# Altium PCB WiSN.PcbDoc (part 2 of 2)
Units mil, origin at the board's own origin, x right, y up, seen from the top; angles counter-clockwise.
Board outline 3858.27 x 3858.27 mil, 4 copper layers (Top Layer, GND, PWR, Bottom Layer), stack 61.2 mil thick; 132 components, 87 nets, 424 pads, 339 vias.
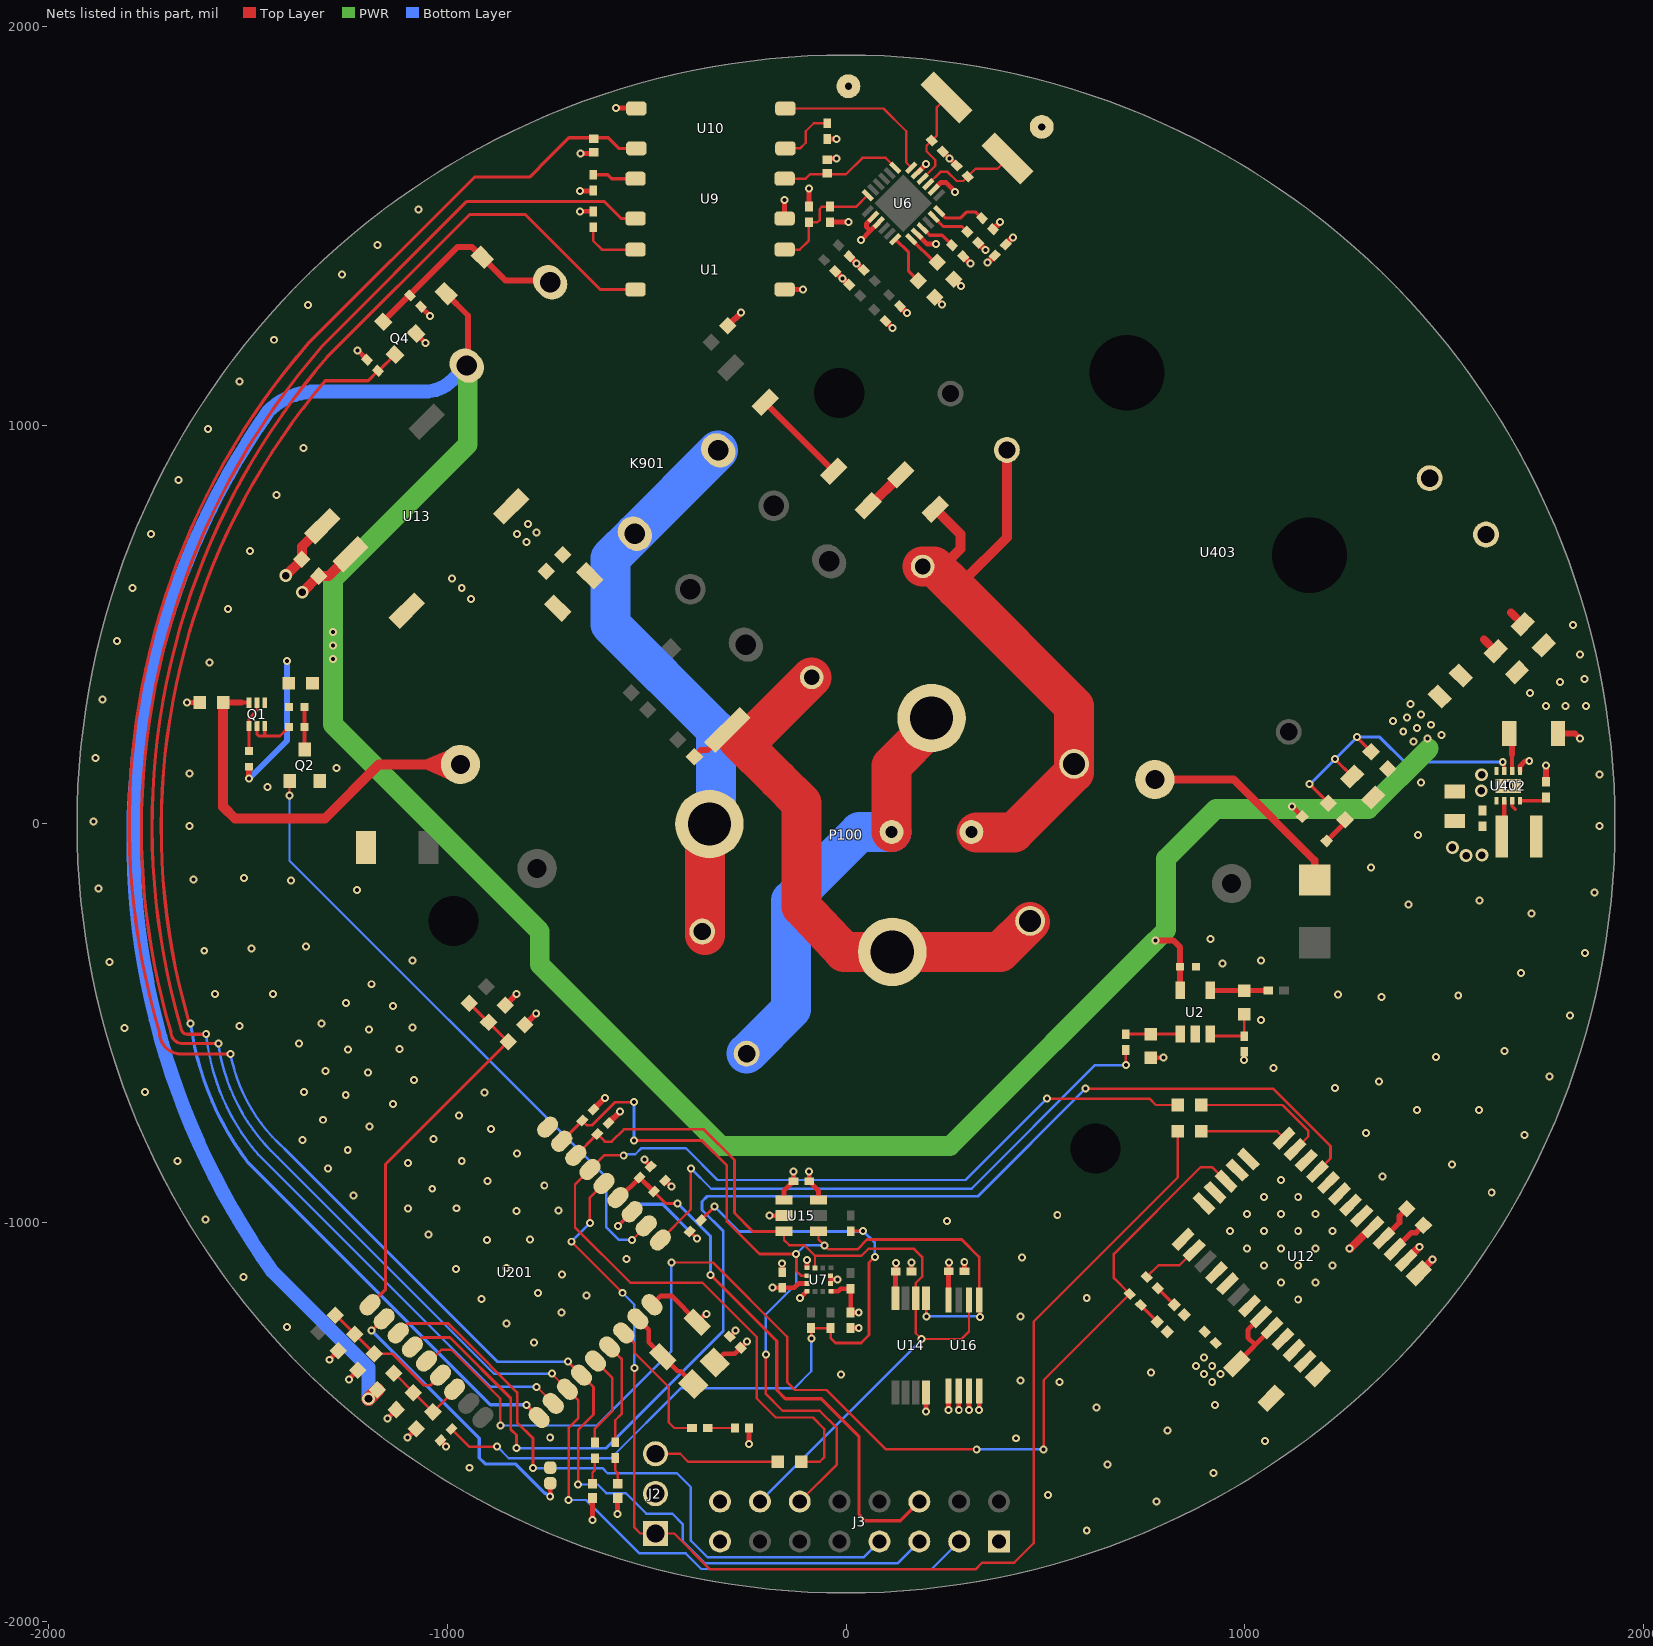
[diagram p4: the nets of this part, all layers, seen from the top]

## Via types
v1: diameter 20/20/20/20 (per signal layer), hole 10, Top Layer to Bottom Layer, tented both sides, 235 vias
v2: diameter 20/20/20/20 (per signal layer), hole 10, Top Layer to Bottom Layer, 93 vias
v3: diameter 32/32/32/32 (per signal layer), hole 19, Top Layer to Bottom Layer, tented both sides, 9 vias
v4: diameter 20/20/20/30 (per signal layer), hole 10, Top Layer to Bottom Layer, tented top, 2 vias

## Nets (pads, with @x,y where several pads share a name; then routed paths per layer and width w, separated by ;. In a path a pad name is that pad's centre, name@x,y a point inside that pad or via, vN(x,y) a via of type N, cw(c..) or ccw(c..) an arc to the next point about the centre after c; other vN are vias at no path point) (continued)
GND: C2.2 C3.2 C7.2 C8.2 C12.2 C26.2 C27.2 C28.2 C29.2 C32.2 C34.2 C35.2 C36.2 C37.2 C38.2 C104.2 C202.2 C203.2 C209.2 C404.2 C405.2 C406.2 C601.2 C603.2 C701.2 D2.1 D8.1 D9.1 D13.2 D14.1 D101.1 D801.2 J2.2 J3.15 J3.16 J4.1 P100.1 Q2.2 Q4.2 R29.2 R49.1 R602.1 R606.1 R801.1 R1777.1 U2.2 U7.1 U7.4 U7.8 U7.9 U10.3 U12.4 U12.5 U12.10 U12.11 U12.12 U12.13 U12.14 U12.15 U12.18 U12.19 U12.21 U12.22 U12.27 U12.28 U12.31 U13.1 U14.4 U15.2 U15.3 U16.1 U16.2 U16.3 U16.4 U201.18 U402.1 U402.4 U402.5 U403.14 | length 2309.6
  Top Layer w12: v1@-1653.72,304.82 C7.2@-1621.53,304.82 ; v1(-1295.93,-1344.07) -1295.93,-1343.93 R606.1@-1273.88,-1321.88 ; v1(-1246.93,-1393.07) -1246.93,-1392.93 C603.2@-1224.88,-1370.88 ; v1@-1224.81,1188.1 R1777.1@-1201.7,1164.99 ; v1(-1149.93,-1491.07) -1149.93,-1490.93 R49.1@-1127.88,-1468.88 ; v1(-1099.93,-1539.07) -1099.93,-1538.93 C28.2@-1077.88,-1516.88 ; Q4.2@-1078.82,1230.39 v1@-1055.71,1207.28 ; C701.2@-1066.73,1298.14 v1@-1043.62,1275.02 ; v1(-636,-1746) D14.1@-636,-1690.72 ; v1@-576.69,1796.31 U10.3@-524,1796.31 ; v1(-573,-1731) D101.1@-573,-1690.72 ; v1(-506,-842) -506,-843.16 C203.2@-490.08,-859.08 ; U201.18@-486.89,-1206 -464.89,-1184 -437.21,-1184 -372.85,-1248.36 C202.2@-372.85,-1249.85 -352,-1229 v1(-350,-1229) ; J3.16@-317,-1699 J3.16@-316,-1700 ; C209.2@-291.92,-1286.08 v1(-276.84,-1271) ; v1(-243.28,-1555.51) D2.1@-243.28,-1515.22 ; v1(-192,-982) -191.37,-982.63 U15.3@-155.61,-982.63 ; C35.2@-160,-1124.31 v1(-160,-1102) ; U15.2@-155.61,-943.26 -155.61,-920.32 C36.2@-131.69,-896.39 v1(-131.69,-872) ; v1(-115,-1189) -114.57,-1189 U7.4@-98.02,-1172.45 ; U7.1@-98.02,-1113.39 v1(-98.02,-1094.2) ; U7.8@-38.47,-1152.76 -38.47,-1142.92 ; U7.9@-38.47,-1133.08 -38.47,-1142.92 ; v1(-21,-1142.92) -38.47,-1142.92 ; C34.2@10.94,-1264.69 31.69,-1264.69 v1(32,-1265) ; C37.2@164.37,-1123 164.37,-1100.31 v1(164.69,-1100) ; v1(200.76,-1474) U14.4@200.76,-1426.11 ; v1(257.3,-1470.6) U16.1@257.3,-1422.17 ; v1(282.89,-1470.6) U16.2@282.89,-1422.17 ; v1(296.69,-1099) 297.37,-1099.69 C38.2@297.37,-1122 ; v1(308.48,-1470.6) U16.3@308.48,-1422.17 ; v1(334.07,-1470.6) U16.4@334.07,-1422.17 ; C104.2@765.08,-586.53 v1@795.29,-586.53 ; v1(999,-592.59) R801.1@999,-571.59 ; U402.1@1690.9,133.07 1690.9,144.99 1704.21,158.3 v1(1714.11,158.3)
  Top Layer w15: R602.1@-855.07,-455.46 v1(-826.12,-426.51) ; C601.2@-806.07,-504.46 v1(-777.12,-475.51) ; C404.2@1785.92,227.12 1828.96,227.12 v1(1841.27,214.81)
  Top Layer w20: P100.1@774.8,111.42 972.64,111.42 1176,-91.94 D801.2@1176,-140.57 ; v1(1263.17,-1064.41) 1265.96,-1064.41 1319.24,-1011.13 U12.18@1321.8,-1011.13 ; U12.15@1405.32,-1094.65 1405.32,-1094.29 v1(1439,-1060.6) ; U12.14@1437.33,-1126.67 v1(1471.02,-1092.98)
  Top Layer w25: v3@-1405.54,623.22 C2.2@-1364.88,663.88 -1364.88,696.38 U13.1@-1313.82,747.45
  other v1: 507,-1683 -944.72,-1615 -742,-1539.07 -12,-1381 -783,-1301 -852,-1253 -714,-1225.57 1134.55,-1193.03 -914,-1192 -651.23,-1182.32 -773,-1177 1091.68,-1150.16 1177.42,-1150.16 -713,-1130 -978,-1116 -852,-1114 1048.81,-1107.28 1134.55,-1107.28 1220.3,-1107.28 -551,-1091 1005.94,-1064.41 1091.68,-1064.41 1177.42,-1064.41 -901,-1044 -793,-1042 -1047,-1030 963.07,-1021.54 1048.81,-1021.54 1134.55,-1021.54 1220.3,-1021.54 1005.94,-978.67 1091.68,-978.67 1177.42,-978.67 -827,-971 -721,-970 -1099,-965 -977,-964 1048.81,-935.8 1134.55,-935.8 -1235,-932 -1038,-915.07 -757,-907 -899,-896 1091.68,-892.93 -1300,-864 -1099,-851 -964,-846 -825,-827 -1250,-818.14 -1363,-793 -1035,-790 -891,-765 -1195,-759 -1312,-742 -971,-731 -1137,-702 -1255,-680 -907,-674 -1360,-672 1337,-646 -1084,-642 -1199,-623 -1306,-620 796.08,-585.73 -1249,-566 -1120,-564.7 -1372,-551 -1196.93,-515 -1087,-510.86 -1316.02,-501 -1137,-457 -1254,-449 -1189.86,-402 -1087,-342.78 1890.88,-4.93 1890.88,124.36 -1653.72,304.44 -1225.25,1188.1 -1055.26,1207.28 -1043.17,1275.02 -1350,1302 -1264.79,1379 -1175,1453 -1072,1542 -577,1796
  other v2: 604,-1772 778.81,-1700 922,-1628 656,-1607 1051,-1548 427,-1541 807,-1521 629,-1464 925.79,-1457 536,-1400.29 438,-1396.06 764.67,-1376.11 -1402,-1261.52 438,-1235 604,-1189.34 -1511,-1137 441,-1087 253,-996 -1607,-992 530,-981 1620,-924 1346,-884 1520,-854 -1677,-844.95 1702,-780 1305,-775 1433,-718 1587.54,-718 -1758.98,-672 1226.37,-662 1765.02,-634 1072.67,-612 1480,-584 1651.53,-570 -1810,-512.26 -1521,-507 1040.63,-491.75 1816,-480 1343.49,-434 1536,-430 -1583,-426.51 -1438,-426.51 1234.53,-427.37 1694,-374 944,-350 -1848,-346 1040.63,-343 1854,-324 -1610,-318 -1492,-312 -1355,-307 914.37,-288 1720,-224 1411,-202.14 1589.75,-192 1878,-172 -1227,-165 -1875,-162 -1392,-142 -1637,-139 -1510,-135.64 1316.79,-108.98 1434.99,-27.91 -1647,-5 -1888,6 -1451.19,93 1442,103.66 -1647,127 -1278,141 -1883,166 1756.53,295.5 1805,295.5 1857,295.5 -1865,312.41 1716.23,328.32 1791,356.61 1852.73,363.68 -1597,405 1841.27,425.42 -1829.32,459 1824,499 -1551,539 -1789.76,592 -1495,685 -1743,728 -1429,825.93 -1675,863 -1361,943 -1601,991.04 -1521,1110 -1435.49,1214.85
  other v3: 1593.8,83.25 1661.37,95.67 1594.61,123.66 -1405.76,623.22
GND_3V3: C1.2 C6.2 C13.2 C19.2 C20.2 GND_AC.1 R4.1 R25.1 R57.2 R277.1 U1.3 U6.2 U6.11 U9.3 U13.7 | length 354.1
  Top Layer w12: U1.3@-153.99,1341 v1(-108,1341) ; U9.3@-153.99,1519 v1(-154,1565) ; C13.2@-93,1548.01 C13.2@-93,1549 v1(-93,1594) ; U6.2@178.1,1481.14 204.24,1455 v1(225.55,1455) ; U6.11@178.1,1632.86 201,1655.76 v1(201,1656) ; C20.2@243,1687 v1(260,1670) 260,1669.63 C19.2@277.63,1652
  Top Layer w15: R25.1@331.92,1458.08 v1@349.8,1440.2 ; R4.1@368.92,1492.08 v1@386.8,1509.96 ; C1.2@400.92,1453.92 v1@418.8,1471.8
  other v1: -941,565 -964,592 -988,616 349.92,1440.32 418.68,1471.92 386.68,1510.08
GPS_3DFIX: R47.2 U12.2 | length 147.1
  Top Layer w6: R47.2@754.29,-1136.75 784.2,-1106.84 836.35,-1106.84 U12.2@873.6,-1069.6
GPS_DR_INT: U12.1
GPS_EINT1: U12.7
GPS_GPIO1: U12.20
GPS_GPIO2: U12.24
GPS_RST_L: U12.23 U201.4 | length 3269.6
  Top Layer w7: U201.4@-1087.93,-1312.07 -1064.22,-1288.36 -993.57,-1288.36 -841.14,-1440.78 -841.14,-1519.17 -827,-1533.31 v1(-827,-1566) ; v1(601,-664) 1071.68,-664 1215.34,-807.66 1215.34,-839.21 U12.23@1182.61,-871.94
  Bottom Layer w7: v1(-827,-1566) -602,-1566 -308,-1272 -308,-1021 -361,-968 -361,-946.78 -348.22,-934 331,-934 v1(601,-664)
GPS_RXD0: R10.2 U12.26 | length 214.8
  Top Layer w6: R10.2@891.53,-771 1081.67,-771 U12.26@1099.09,-788.42
GPS_TIMEMARK: R46.2 U12.29 U201.5 | length 3221.6
  Top Layer w6: U201.5@-1052.58,-1347.42 -1043.55,-1347.42 -1015.13,-1319 -990,-1319 -867,-1442 v1(-867,-1509) ; v1(-438,-1100) -334.07,-1100 -147.78,-1286.29 -147.78,-1400.08 -127.85,-1420 -49,-1420 100,-1569 v1(328,-1569) ; v1(496,-1569) 496,-1395.03 R46.2@711.85,-1179.19 672.03,-1139.37 672.03,-1078.56 889.82,-860.77 918.1,-860.77 U12.29@953.63,-896.3
  Bottom Layer w6: v1(-867,-1509) -625,-1509 -438,-1322 v1(-438,-1100) ; v1(328,-1569) v1(496,-1569)
GPS_TXD0: R9.2 U12.25 | length 355.4
  Top Layer w6: R9.2@891.53,-705 1095,-705 1160,-770 1160,-783.19 U12.25@1126.93,-816.26
GPS_WAKEUP: U12.30
I2C_JENIC_SCLK: J3.14 R52.1 U7.12 U14.6 U15.4 U16.6 U201.25 | length 2179.5
  Top Layer w6: U15.4@-155.61,-1022 -155.61,-1043.39 -142,-1057 -104,-1057 -77.84,-1083.16 ; U7.12@-77.84,-1113.39 -77.84,-1083.16 ; U16.6@308.48,-1193.83 308.48,-1273.2 289.69,-1292 v1(189.69,-1292) 175.17,-1277.48 U14.6@175.17,-1189.89 175.17,-1151.64 190.81,-1135.99 190.81,-1086 170.81,-1066 56,-1066 38.84,-1083.16 -77.84,-1083.16
  Top Layer w7: U201.25@-677.87,-831.29 -677.29,-831.29 R52.1@-623.92,-777.92 -604.84,-797 -588,-797 -557,-766 -356.79,-766 -279.87,-842.92 -279.87,-976 -233.87,-1022 U15.4@-155.61,-1022
  Bottom Layer w6: J3.14@-216,-1700 189.69,-1294.31 v1(189.69,-1292)
I2C_JENIC_SDA: J3.12 R51.1 U7.2 U14.5 U15.5 U16.5 U201.26 | length 2702.5
  Top Layer w6: v1(-201,-1331) -201,-1430 -158.67,-1472.33 -65.9,-1472.33 -23,-1515.22 -23,-1607 J3.12@-116,-1700 ; v1(-125,-1079) -125,-1121 -112.92,-1133.08 U7.2@-97.53,-1133.08 ; U15.5@-69,-1022 -69,-1042 v1(-54,-1057) ; U14.5@200.76,-1189.89 201.69,-1190.82 v1(201.69,-1235) ; U16.5@334.07,-1193.83 335.69,-1195.44 v1(335.69,-1237)
  Top Layer w7: U201.26@-713.22,-795.93 -661.62,-744.33 R51.1@-661.62,-743.84 -649.45,-756 -638,-756 -580,-698 v1(-532.02,-698) ; v1(-532,-794) -362,-794 -299,-857 -299,-997 -217,-1079 v1(-125,-1079) ; v1(-54,-1057) -44,-1067 28.39,-1067 52.96,-1042.42 290.49,-1042.42 334.07,-1086 U16.5@334.07,-1193.83
  Bottom Layer w6: v1(-201,-1331) -201,-1230 -125,-1154 v1(-125,-1079) -103,-1057 v1(-54,-1057) ; v1(201.69,-1235) 333.69,-1235 v1(335.69,-1237)
  Bottom Layer w7: v1(-532,-794) v1(-532.02,-698)
IRQ_I2C_DEV_L: R19.2 R41.2 R53.1 R54.2 R55.2 | length 2072.9
  Top Layer w6: R53.1@-989.77,-1518.08 -945.84,-1562 v1(-875,-1562) ; v1(-87,-1291) -87,-1265.19 R54.2@-87.5,-1264.69 R41.2@-38.5,-1264.69
  Top Layer w7: R41.2@-38.5,-1264.69 -38.5,-1289.8 -26.3,-1302 38,-1302 58,-1282 58,-1100.19 v1(72.19,-1086) ; R55.2@12,-1021.69 12.69,-1021 v1(43,-1021)
  Top Layer w8: R19.2@-364.08,-994.15 v1@-329.97,-960.03
  Bottom Layer w6: v1(-875,-1562) -846,-1591 -590,-1591 -415,-1416 -130.02,-1416 -87,-1372.98 v1(-87,-1291)
  Bottom Layer w7: v1(-330,-960) -268,-1022 v1@43,-1022 ; v1(43,-1021) 72.19,-1050.19 v1(72.19,-1086)
JENIC_RXD1: R9.1 R30.2 U201.24 | length 2840.8
  Top Layer w6: v1(-557.6,-831.29) -607.16,-831.29 U201.24@-642.51,-866.64 -680,-904.13 -680,-1012 -541,-1151 -360,-1151 -224,-1287 -224,-1441.07 -176.07,-1489 -83,-1489 -55,-1517 -55,-1589 -66,-1600 R30.2@-112.47,-1600 ; v1(504,-689) 761,-689 777,-705 R9.1@832.47,-705
  Bottom Layer w6: v1(-557.6,-831.29) -554.93,-828.61 -528.61,-828.61 -513,-813 -402,-813 -322,-893 300,-893 v1(504,-689)
JENIC_TXD1: J2.1 R10.1 U201.23 | length 3217.9
  Top Layer w6: v1(-689,-1048) v1(-561,-1176) ; v1(-642.51,-1001) -642.51,-937.36 U201.23@-607.16,-902 ; v1(-531,-1365) -531,-1765 -516,-1780 -431,-1780 -341,-1870 325,-1870 342,-1853 422,-1853 471,-1804 471,-1248 832.47,-886.53 R10.1@832.47,-771
  Bottom Layer w6: v1(-689,-1048) -689,-1047.49 v1(-642.51,-1001) ; v1(-561,-1176) -531,-1206 v1(-531,-1365)
JENNIC_RESET_L: C203.1 J3.6 R201.1 U201.22 | length 1396.6
  Top Layer w8: R201.1@-481.92,-921.92 -451.84,-952 v1(-422.3,-952) ; v1(-340,-1131) -173.92,-1297.08 -173.92,-1420.08 -152,-1442 -62.21,-1442 33,-1537.21 33,-1733 48,-1748 111.81,-1748 112,-1747.81 136.19,-1747.81 J3.6@184,-1700
  Top Layer w12: U201.22@-571.8,-937.36 -568.36,-937.36 C203.1@-517.92,-886.92 -482.92,-921.92 R201.1@-481.92,-921.92
  Bottom Layer w8: v1(-422.3,-952) -340,-1034.3 v1(-340,-1131)
LINE_IN: 3V3_AC.1 C1.1 C4.1 C5.1 C6.1 C15.1 C16.1 C17.1 C18.1 C101.2 P100.LINE R2.2 R3.2 R12.1 R13.1 R15.1 R17.1 R18.1 R31.2 R37.1 R57.1 U6.8 U6.20 U6.21 U13.8 V101.1 | length 2071.1
  Top Layer w12: R31.2@-47,1669.44 -24.44,1669.44 v1(-24,1669) ; R37.1@-47,1718.63 -24.06,1718.63 v1(-24,1718.69) ; R3.2@-39.99,1510 v1(6,1510) ; v1(38,1465) 38.08,1465 61.04,1487.96 ; U6.20@68.14,1522.9 51.17,1505.93 51.17,1498 61.04,1488.13 61.04,1487.96 ; U6.21@82.06,1508.98 61.04,1487.96 ; U6.8@219.86,1591.1 238.34,1609.58 250.68,1609.58 274,1586.26 v1(274,1586)
  Top Layer w15: R18.1@-380.12,169.12 -363.24,186 -347.4,186 R13.1@-297.7,235.7 ; R12.1@-295,1251 -263,1283 v1(-263,1283.5) ; C5.1@-27,1386.76 6.84,1352.92 C16.1@8.08,1352.92 ; C4.1@8.92,1424.08 C15.1@42.76,1390.24 ; C17.1@98.84,1262.16 v1@116.72,1244.28 ; C18.1@135.38,1299.16 v1@153.26,1281.28 ; R15.1@222.88,1321.12 v1@240.76,1303.24 ; R17.1@270.88,1367.12 v1@288.76,1349.24 ; R2.2@294,1424.08 v1@311.88,1406.2 ; v1@355.2,1408.2 C1.1@373.08,1426.08
  Top Layer w100: C101.2@-86.19,367.81 -239,215 -274,215 -170.58,111.58 -112,53 -112,-207 -5.13,-320.87 P100.LINE@116.14,-320.87 386.87,-320.87 V101.1@461.88,-245.85
  other v1: -802,707 -825,728 -777,731 -798,753 116.84,1244.4 153.38,1281.4 240.88,1303.36 288.88,1349.36 -9,1369 26.92,1406.32 312,1406.32 355.32,1408.08
LINE_OUT: K901.5 P100.LOAD V901.2 | length 1465.8
  Top Layer w100: V901.2@-353.38,-279.23 P100.LOAD@-353.38,-10.86
  Bottom Layer w100: P100.LOAD@-353.38,-10.86 P100.LOAD@-342.52,0 -356.28,13.76 -348.22,13.76 -325.94,36.04 -325.94,235.94 -591.13,501.13 -591.13,666.81 K901.5@-529.49,728.45 K901.5@-320.7,937.24
LSW_EN: Q2.1 U201.20 | length 1577.4
  Top Layer w6: Q2.1@-1396.03,107.63 Q2.1@-1395.4,108.26 ; v1(-1396,71) Q2.1@-1396,107.6 ; v1(-536.45,-1043.42) U201.20@-501.09,-1008.07
  Bottom Layer w6: v1(-1396,71) -1396,-92 -601,-887 -601,-1012 -569.58,-1043.42 v1(-536.45,-1043.42)
NetC13_1: C13.1 R3.1 U1.4 U6.18 | length 307.8
  Top Layer w6: U1.4@-153.99,1441 -115.93,1441 -93,1463.93 C13.1@-93,1509.63 -71.37,1509.63 -66,1515 -66,1543 -60,1549 R3.1@-40,1549 26.04,1549 U6.18@54.22,1577.18
NetC19_1: C19.1 U6.9 X2.1 | length 245.4
  Top Layer w6: U6.9@205.94,1605.02 236.92,1636 255,1636 278,1613 294.31,1613 C19.1@305.47,1624.16 325.31,1644 380.11,1644 X2.1@405.56,1669.44
NetC20_1: C20.1 R277.2 U6.10 X2.2 | length 246.9
  Top Layer w6: U6.10@192.02,1618.94 224,1650.92 224,1665.94 202,1687.94 202,1701.68 C20.1@215.16,1714.84 228,1727.68 228,1798.11 X2.2@252.44,1822.56
NetC28_1: C28.1 R48.2 R49.2 U201.7 | length 217.6
  Top Layer w6: R48.2@-1134.12,-1378.12 -1133.12,-1378.12 -1085.12,-1426.12 C28.1@-1036.12,-1475.12 -981.87,-1420.87 U201.7@-981.87,-1418.13
NetC32_1: C32.1 R29.1 R56.2 U402.3 | length 774.9
  Top Layer w8: v1(1163,100) 1210.12,52.88 R56.2@1210.12,51.88 ; v1(1226.37,163) C32.1@1269.88,119.5 ; v1(1281.45,218) R29.1@1325.53,173.92 ; v1(1647.64,155.48) 1651.53,151.59 U402.3@1651.53,133.07
  Bottom Layer w8: v1(1163,100) 1164,100 1282,218 1339,218 1401.52,155.48 v1(1647.64,155.48)
NetC104_1: C104.1 R108.2 U2.1 | length 136.7
  Top Layer w7: R108.2@702,-527.47 702.35,-527.12 U2.1@838.6,-527.12
NetC202_1: C202.1 L201.1 U201.17 | length 225.6
  Top Layer w12: U201.17@-522.25,-1241.36 -495,-1268.6 -495,-1300.3 C202.1@-459.15,-1336.15 -422.3,-1373 -415.15,-1373 L201.1@-383.07,-1405.07
NetC601_1: C601.1 R601.2 R602.2 U201.1 | length 940.1
  Top Layer w8: U201.1@-1194,-1206 -1155,-1167 -1155,-853 C601.1@-847.88,-545.88 R602.2@-896.88,-496.88 -897.72,-496.88 R601.2@-944.72,-449.88
NetC603_1: C603.1 R605.2 R606.2 U201.6 | length 347.1
  Top Layer w7: R605.2@-1281,-1232 -1280.24,-1232 R606.2@-1232.12,-1280.12 C603.1@-1183.12,-1329.12 -1137.88,-1329.12 -1059,-1408 -1042.45,-1408 U201.6@-1017.22,-1382.78
NetD1_2: D1.2 R56.1 | length 71.8
  Top Layer w12: D1.2@1205.94,-42.62 1251.88,3.32 R56.1@1251.88,10.12
NetD2_2: D2.2 R1.1 | length 68.3
  Top Layer w6: R1.1@-347,-1515.22 D2.2@-278.72,-1515.22
NetD8_2: D8.2 R46.1 | length 58.6
  Top Layer w8: R46.1@739.69,-1207.03 D8.2@781.12,-1248.46
NetD9_2: D9.2 R47.1 | length 58.5
  Top Layer w8: R47.1@782.13,-1164.59 D9.2@823.47,-1205.93
NetD14_2: D14.2 R50.1 | length 66.8
  Top Layer w6: D14.2@-636,-1655.28 -636,-1627 -630,-1621 R50.1@-630,-1591
NetD101_2: D101.2 R105.1 | length 67.1
  Top Layer w6: R105.1@-579,-1590.68 -579,-1622 -573,-1628 D101.2@-573,-1655.28
NetJ2_3: J2.3 R30.1 | length 314.8
  Top Layer w6: J2.3@-478,-1580 -416,-1580 -396,-1600 R30.1@-171.53,-1600
NetJ4_2: J4.2 U201.2 | length 725.9
  Top Layer w8: v1(-1189.86,-1271) -1160.21,-1241.36 U201.2@-1158.64,-1241.36
  Top Layer w12: v1(-742,-1687) J4.2@-742,-1654
  Bottom Layer w8: v1(-1189.86,-1271) -920.28,-1540.58 -920.28,-1590.57 -905.4,-1605.45 -829.33,-1605.45 -755.78,-1679 -753.25,-1679 -745.25,-1687 v1(-742,-1687)
NetL401_1: L401.1 U402.7 | length 24.7
  Top Layer w8: U402.7@1671.21,58.26 1671.21,44.22 1678.75,36.68
NetQ1_2: Q1.2 Q1.4 R7.1 | length 129.2
  Top Layer w8: R7.1@-1497.37,182.94 -1497.53,183.1 -1497.53,245.85 Q1.4@-1497.68,246 -1497.68,264.3 -1478,283.99 Q1.2@-1478,303.88
NetQ1_5: Q1.5 Q1.6 R5.2 | length 137.2
  Top Layer w8: Q1.5@-1478,246 -1478,225.71 -1473,220.71 -1458.32,220.71 ; Q1.6@-1458.31,246 -1458.32,220.71 ; R5.2@-1397.69,242.94 -1419.92,220.71 -1458.32,220.71
NetQ2_3: Q2.3 R5.1 R8.1 | length 107.1
  Top Layer w10: R8.1@-1358.32,293.94 R5.1@-1358.32,242.94 -1358.32,187.32 Q2.3@-1358,187
NetQ4_1: Q4.1 R1777.2 U201.10 | length 3297.4
  Top Layer w7.87: v1(-1644.12,-501) -1647.96,-495.07 -1649.23,-493.12 cw(c17.87,-9.58) -1306.9,1112.02
  Top Layer w8: -1306.9,1112.02 -1198.99,1112.02 R1777.2@-1174.08,1136.93 ; R1777.2@-1173.27,1135.95 Q4.1@-1131.49,1177.72 ; v1(-802,-1457) -770.16,-1488.84 U201.10@-769.74,-1488.84
  Bottom Layer w8: v1(-1644.12,-501) ccw(c-914.5,-403.5) -1502,-847 -892,-1457 v1(-802,-1457)
NetR1_2: R1.2 U201.16 | length 335.5
  Top Layer w6: U201.16@-557.6,-1276.71 -531,-1303.31 -531,-1326.54 -444.79,-1412.75 -444.79,-1501.21 -430.78,-1515.22 R1.2@-386.37,-1515.22
NetR2_1: R2.1 U6.3 | length 92
  Top Layer w8: U6.3@192.02,1495.06 210.08,1477 241.08,1477 R2.1@266.16,1451.92
NetR4_2: R4.2 U6.6 | length 126.8
  Top Layer w8: U6.6@233.78,1536.82 250.68,1519.92 286.92,1519.92 302,1535 326,1535 R4.2@341.08,1519.92
NetR15_2: R15.2 U6.24 | length 128.1
  Top Layer w8: U6.24@123.82,1467.22 157,1434.04 157,1387 R15.2@181.12,1362.88
NetR17_2: R17.2 U6.1 | length 89.1
  Top Layer w8: U6.1@164.18,1467.22 222.52,1408.88 R17.2@229.12,1408.88
NetR19_1: R19.1 U201.21 | length 331.1
  Top Layer w8: v1(-571.74,-1008) U201.21@-536.45,-972.71 ; R19.1@-391.92,-1021.99 -374,-1039.9 v1(-374,-1040)
  Bottom Layer w8: v1(-571.74,-1008) -517.74,-954 -460,-954 v1(-374,-1040)
NetR24_1: R24.1 U12.16 | length 96.2
  Top Layer w14: U12.16@1377.48,-1066.81 1419.1,-1025.19 1430.42,-1025.19 R24.1@1448.8,-1006.8
NetR24_2: R24.2 U12.17 | length 97.7
  Top Layer w14: U12.17@1349.64,-1038.97 1388.66,-999.96 1388.66,-983.43 R24.2@1407.04,-965.05
NetR25_2: R25.2 U6.5 | length 99.5
  Top Layer w8: U6.5@219.86,1522.9 243.76,1499 291,1499 R25.2@304.08,1485.92
NetR26_2: R26.2 R27.1 | length 114.5
  Top Layer w25: R27.1@55.3,798.7 60.02,798.7 R26.2@137.64,876.32
NetR27_2: R27.2 R28.1 | length 244.4
  Top Layer w15: R28.1@-202.85,1058.24 -202.85,1056.85 R27.2@-31,885
NetR31_1: R31.1 U6.13 U9.4 | length 309.4
  Top Layer w6: U9.4@-153.99,1619 -101,1619 -89.93,1630.07 -47,1630.07 0.07,1630.07 41,1671 99.6,1671 U6.13@123.82,1646.78
NetR33_1: R33.1 U1.1 | length 149.7
  Top Layer w6: R33.1@-634,1497.32 -634,1462.54 -612.46,1441 U1.1@-528.01,1441
NetR36_1: R36.1 U9.1 | length 110
  Top Layer w8: R36.1@-634,1628.69 -597.69,1628.69 -588,1619 U9.1@-528.01,1619
NetR37_2: R37.2 U10.1 | length 148.1
  Top Layer w6: U10.1@-151.99,1695 -115,1695 -101,1709 -101,1738 -81,1758 R37.2@-47,1758
NetR50_2: R50.2 U201.14 | length 240
  Top Layer w6: R50.2@-630,-1551.63 -630,-1516.46 -586,-1472.46 -586,-1389.74 U201.14@-628.31,-1347.42
NetR105_2: R105.2 U201.15 | length 258.3
  Top Layer w6: U201.15@-592.96,-1312.07 -563,-1342.03 -563,-1480 -579,-1496 R105.2@-579,-1551.31
NetR108_1: R108.1 U201.19 | length 1489.9
  Top Layer w6: U201.19@-465.74,-1043.42 -389,-966.69 v1(-389,-864) ; v1(702,-605) R108.1@702,-566.84
  Bottom Layer w6: v1(-389,-864) -338,-915 315,-915 625,-605 v1(702,-605)
NetR401_1: R401.1 U402.8 | length 69
  Top Layer w8: U402.8@1690.9,58.26 1748.31,58.26 R401.1@1756.53,66.49
NetR801_2: R801.2 R802.1 U2.3 | length 143
  Top Layer w7: U2.3@913.4,-527.12 918.5,-532.22 R801.2@999,-532.22 R802.1@999,-476.9
NetR802_2: R802.2 R806.1 U2.4 | length 146.3
  Top Layer w12: U2.4@913.4,-416.88 914.37,-417.85 R802.2@999,-417.85 R806.1@1059.31,-417.85
NetU1_2: U1.2 U201.11 | length 4201.2
  Top Layer w6: v1(-776.03,-1411.84) U201.11@-734.38,-1453.49
  Top Layer w7.87: v1(-1605,-527.39) -1652.37,-527.39 cw(c-1652.37,-511.43) -1668.33,-511.43 cw(c54.57,-5.61) -1301.17,1171.76
  Top Layer w8: -1301.17,1171.76 -943.93,1529 -804.68,1529 -616.68,1341 U1.2@-528.01,1341
  Bottom Layer w6: v1(-1605,-527.39) ccw(c-1064.82,-473.27) -1474.37,-829.63 -1474.08,-829.92 -892,-1412 v1@-776.03,-1412
NetU6_12: U6.12 U10.2 | length 423.3
  Top Layer w6: U10.2@-151.99,1795 94,1795 151,1738 151,1659.96 U6.12@164.18,1646.78
NetU201_27: U201.27
NEUTRAL: F101.1 P100.NEUT V901.1 | length 1100.7
  Top Layer w100: F101.1@114.57,-20 114.57,146.29 214.57,246.29 P100.NEUT@214.57,265.75 P100.NEUT@200.81,251.99
  Bottom Layer w100: V901.1@-249.32,-576.11 -138,-464.79 -138,-192 34,-20 F101.1@114.57,-20
NEUTRAL_N: C101.1 F101.2 R26.1 U403.3 V101.2 | length 1565.7
  Top Layer w25: R26.1@223.94,790.01 286.92,727.03 286.92,690.3 240.76,644.14 ; 293,608 403.67,718.67 U403.3@403.67,938.36
  Top Layer w100: C101.1@192.19,646.19 221.19,646.19 276.19,591.19 572.12,295.27 572.12,147.85 572.12,129.59 421.53,-21 F101.2@327,-21
PROG_L: J3.7 U201.3 | length 1643.3
  Top Layer w7: U201.3@-1123.29,-1276.71 -1099.58,-1253 -997.84,-1253 -960.04,-1290.8 -825,-1425.84 -825,-1501.07 -785,-1541.07 v1(-785,-1616)
  Bottom Layer w6: v1(-785,-1616) -611,-1616 -598,-1629 -424,-1629 -389,-1664 -389,-1798 -347,-1840 44,-1840 J3.7@84,-1800
RELAY_OUT: C701.1 D901.2 K901.3 Q4.3 | length 532.1
  Top Layer w15: Q4.3@-1160.5,1261.35 -974,1447.85 -938.57,1447.85 D901.2@-912.26,1421.53 -854.6,1363.87 -747.33,1363.87 K901.3@-742.46,1359
RXD0: J3.5 R32.1 U10.4 U201.13 | length 5659.5
  Top Layer w7: v1(-697,-1349) -663.67,-1382.33 U201.13@-663.67,-1382.78 -633.55,-1412.89 -633.55,-1481.55 -671.97,-1519.97 v1(-671.97,-1657)
  Top Layer w7.87: -1722.05,-523.31 cw(c42.11,0.84) -1347.43,1207.57
  Top Layer w8: -1722.05,-523.31 ccw(c-1668.37,-523.31) -1668.37,-577 v1(-1544,-577) ; -1347.43,1207.57 -932,1623 -793.78,1623 -744,1672.78 -695.09,1721.69 -633,1721.69 -596.69,1721.69 -570,1695 U10.4@-526.01,1695
  Bottom Layer w6: v1(-1544,-577) -1543.29,-576.29 -1544.95,-572.26 ccw(c-1132.4,-499.52) -1407.98,-815.02 ; v1(-671.97,-1657) -623,-1657 -601,-1679 -552,-1679 -501,-1730 -436,-1730 -410,-1756 -410,-1799 -354,-1855 129,-1855 J3.5@184,-1800
  Bottom Layer w7: -1407.98,-815.02 -874,-1349 v1(-697,-1349)
TXD0: J3.3 U9.2 U201.12 | length 5605.7
  Top Layer w6: -1666.39,-550.93 -1666.32,-550.93 ; v1(-738,-1379) -699.03,-1417.97 U201.12@-699.03,-1418.13 -672,-1445.16 -672,-1491.22 -696,-1515.22 v1(-696,-1696)
  Top Layer w7.87: -1693.96,-520.92 cw(c13.32,-13.63) -1767.73,-13.63 cw(c80,-13.63) -1315.09,1197.91
  Top Layer w8: -1693.96,-520.92 ccw(c-1663.95,-520.92) -1663.95,-550.93 ; -1666.32,-550.93 -1663.95,-550.93 ; v1(-1574.51,-550.93) -1663.95,-550.93 ; -1315.09,1197.91 -951,1562 -709.1,1562 -607,1562 -564,1519 U9.2@-528.01,1519
  Bottom Layer w6: v1(-1574.51,-550.93) ccw(c-1099.89,-484.89) -1426,-836 -883,-1379 v1(-738,-1379) ; v1(-696,-1696) -652,-1696 -518,-1830 -402,-1830 -363,-1869 215,-1869 J3.3@284,-1800
V3P3: C2.1 C26.1 C27.1 C29.1 C34.1 C35.1 C36.1 C37.1 C38.1 C209.1 C406.1 J3.1 L201.2 L401.2 R32.2 R33.2 R36.2 R44.2 R51.2 R52.2 R53.2 R201.2 R401.2 U7.3 U7.7 U12.8 U12.9 U13.3 U14.8 U15.1 U16.8 U402.6 | length 1328.3
  Top Layer w12: R53.2@-1017.6,-1545.92 -1003,-1560.52 v1(-1003,-1562) ; v1@-666.69,1537.31 R33.2@-634,1537.31 ; v1@-666.69,1588.31 R36.2@-634,1588.31 ; v1(-666,1682) -665.69,1682.31 R32.2@-633,1682.31 ; R201.2@-454.08,-894.08 -438.16,-910 v1(-438,-910) ; L201.2@-328.93,-1350.93 -306.79,-1328.79 -278.95,-1328.79 C209.1@-264.08,-1313.92 v1@-248.16,-1298 ; v1(-184,-1163) -183.32,-1163.68 C35.1@-160,-1163.68 -129.78,-1163.68 -118.86,-1152.76 U7.3@-97.53,-1152.76 ; v1(-92.32,-872) C36.1@-92.32,-896.39 -69,-919.71 U15.1@-69,-943.26 ; U7.7@-37.98,-1172.45 -19.76,-1172.45 -13,-1165.69 R44.2@11.69,-1165.69 11.69,-1224.57 C34.1@10.94,-1225.31 v1(32,-1225.31) ; U14.8@123.98,-1189.89 123.98,-1124.02 C37.1@125,-1123 125.69,-1122.31 v1(125.69,-1101) ; U16.8@257.3,-1193.83 257.3,-1122.7 C38.1@258,-1122 258,-1100.68 v1(258.69,-1100) ; C26.1@980.18,-1354.18 980.18,-1353.47 1068.47,-1265.18 U12.9@1068.47,-1264.47 ; 1026.14,-1306.8 1008.24,-1288.9 1008.24,-1269.02 U12.8@1040.63,-1236.63 ; L401.2@1645.34,-31.2 1651.53,-25.02 U402.6@1651.53,58.26
  Top Layer w15: R51.2@-633.73,-716.34 v1(-604.78,-687.38) ; R52.2@-596.03,-750.42 v1(-567.08,-721.47) ; R401.2@1756.53,105.86 v1(1756.53,146.99)
  Top Layer w25: v3(-1364,581.46) -1363.78,581.46 C2.1@-1323.12,622.12 -1297.72,622.12 U13.3@-1243.11,676.74
  other v1: 918.81,-1400.29 898.3,-1379.78 939.31,-1379.78 877.79,-1359.28 918.81,-1359.28 898.3,-1338.77 -248,-1298 -667,1537 -667,1588
  other v3: 1555.72,-79.28 1595.31,-77.87 1521.32,-59.03
V12P0: C3.1 C8.1 C404.1 D1.1 D901.1 K901.4 Q1.1 R6.2 R7.2 R8.2 R48.1 U2.5 U402.2 | length 8950.7
  Top Layer w10: U402.2@1671.21,133.07 1671.21,173.92
  Top Layer w12: v1(1119,44.31) D1.1@1144.69,18.62
  Top Layer w15: v2(-1497.37,114) R7.2@-1497.37,143.57 ; D901.1@-1003.21,1330.57 -948.19,1275.55 K901.4@-948.19,1152.12 ; v2(777,-292) 820.74,-292 838.31,-309.57 C8.1@838.31,-358 838.46,-358.14 838.46,-416.74 U2.5@838.6,-416.88 ; C404.1@1663.87,227.12 1671.21,219.78 1671.21,173.92
  Top Layer w35: v3(-1197.93,-1442.07) -1175.88,-1420.02 R48.1@-1175.88,-1419.88
  PWR w50: K901.4@-949,1150.21 -949,952 -1286.48,614.52 -1286.48,481.88 -1286.48,447.94 -1286.48,414 -1286.48,249.17 -768.31,-269 -768.31,-352.69 -313,-808 261,-808 v2@776,-293 ; v2(777,-292) 803,-266 803,-87 928,38 1119,38 1311,38 1462,189
  Bottom Layer w15: v2(-1497.37,114) -1402,209.37 v1(-1402,409)
  Bottom Layer w35: -1451.19,1032.63 ccw(c76.54,-36.31) -1437.64,-1124.36 -1197.93,-1364.07 v3(-1197.93,-1442.07) ; -1449.99,1035.01 cw(c-1329.18,914.2) -1329.18,1085.05 -1057.83,1085.05 ccw(c-1057.83,1185.05) -987.12,1114.34 K901.4@-951.25,1150.21
  other v1: 1424,206.61 1459,214.81 1494,223 1398,232.61 1433,240.81 1468,249 1372,258.61 1407,266.81 1442,275 1416,301 -1287,414 -1287,447.94 -1287,481.88
V12P0_SW: C7.1 P100.3 Q1.3 | length 1296.6
  Top Layer w10: -1516,304.82 -1498.62,304.82 Q1.3@-1497.68,303.88
  Top Layer w12: -1048.46,144.61 P100.3@-1001.46,134.41 ; -1046.77,151.33 P100.3@-1003.91,163.08 ; -1044.39,151.67 P100.3@-997.4,141.47 ; P100.3@-997.4,117.26 -1050,141.23 -1068.36,149.61 P100.3@-988.28,183.75
  Top Layer w15: C7.1@-1562.47,304.82 -1516,304.82
  Top Layer w25: C7.1@-1562.47,304.82 -1562.47,43.04 -1533.18,13.76 -1307.24,13.76 -1172,149 -1131.4,149 P100.3@-996,149 ; P100.3@-996,148 -968.93,148 P100.3@-967.32,149.61
VOUT: C12.1 C405.1 R6.1 U403.16 | length 83.2
  Top Layer w20: 1600.81,463.04 C405.1@1630.23,433.62 ; 1668.42,530.65 C12.1@1697.84,501.23
pads on no net: J3.2 J3.4 J3.8 J3.9 J3.10 J3.11 J3.13 K901.2 U6.4 U6.7 U6.14 U6.15 U6.16 U6.17 U6.25 U7.11 U12.3 U12.6 U13.14 U14.1 U14.2 U14.3 U14.7 U16.7 U201.8 U201.9 U403.12 U403.Hole

## Polygon pours and split planes (outlines as drawn)
GND on Top Layer "GND_L01_P042" (solid, remove dead copper, pour order 51): 1565.5,675.5 1565.5,752.5 1623,810 1751.02,809.62 cw(c0.06,0.02) 1929.13,0 cw(c0,0) 0,-1929.13 cw(c0,0) -1929.13,0 cw(c0,0) -300.92,1905.52 -300.92,1484.08 -587.32,1197.68 -617.64,1228 -660,1228 -740.6,1147.4 -740.6,1044.4 -1215,570 -1215,306.7 -1140.3,232 -958.12,232 -700.06,-26.06 -700.06,-348.09 -256.15,-792 235,-792 723,-304 723,232 777,286 1176,286
V12P0 on Top Layer "V12P0_L01_P055" (solid, remove dead copper, pour order 55): -1464,283.99 -1462.73,282.71 -1383,282.71 -1383,319.82 -1378,324.82 -1378,372.94 -1361.06,389.88 -1282.84,389.88 -1264.79,407.94 -1264.79,492.79 -1275,503 -1380.64,503 -1464,419.64
V12P0 on Top Layer "V12P0_L01_P002" (solid, remove dead copper, pour order 2): 1337,298 1399,360 1480,360 1537,303 1666,303 1687,282 1687,194.88 1683.12,191 1411,191 1333,269 1333,293
VOUT on Top Layer "VOUT_L01_P006" (solid, remove dead copper, pour order 6): 1744,522 1558,336 1545,336 1369,512 1369,905 1395,931 1509,931 1526,914 1526,674 1598,602 1676,602 1744,534
LINE_IN on Top Layer "LINE_IN_L01_P022" (solid, pour order 22): -634.14,581.14 -618.75,581.14 -578.02,621.87 -578.02,633.54 -599.74,654.74 -806,861 -839,861 -920,780 -828,688 -741,688
V3P3 on Top Layer "V3P3_L01_P054" (solid, remove dead copper, pour order 54): 944.37,-1264.41 1023.33,-1343.36 1023.33,-1354.9 951.77,-1426.45 926.58,-1426.45 862.24,-1362.11 862.24,-1346.55
eMETER_LINE_OUT on Top Layer "EMETER_LINE_OUT_L01_P012" (solid, pour order 12): -77.5,769.5 -77.5,785.5 -163,871 -199,871 -595.34,474.66 -595.34,439.84 -527,371.5 -504,349 -498,349
GND_3V3 on Top Layer "GND_3V3_L01_P020" (solid, pour order 20): -910,585 -859.88,585 -789.88,655 -754,655 -721,622 -721,581 -683.31,543.31 -683.31,530 -716.81,496.5 -722.68,496.5 -774.68,548.5 -793.5,548.5 -845.21,496.79 -1021.21,496.79 -1057,461 -1121,461 -1151,491 -1151,541.99 -1076.99,616 -1031.99,661 -986,661
V3P3 on Top Layer "V3P3_L01_P050" (solid, pour order 50): 1670.02,-69.63 1670.02,-86.6 1647.64,-108.98 1527.43,-108.98 1494.9,-76.46 1494.9,21.12 1501.98,28.2 1558.64,28.2 1581.27,5.57 1612.28,5.57 1633.04,26.33 1660.82,26.33 1670.27,16.88
GND on Top Layer "GND_L01_P042" (solid, pour order 42): 1637.74,47.99 1630.67,40.92 1616.53,40.92 1611.58,35.97 1611.58,26.07 1606.63,21.12 1578.34,21.12 1569.26,30.21 1569.26,50.01 1556.42,62.84 1499.85,62.84 1494.2,68.5 1494.2,109.51 1534.5,149.82 1637.74,149.82
NetL401_1 on Top Layer "NETL401_1_L01_P028" (solid, pour order 28): 1674.51,35.27 1674.51,23.95 1705.33,-6.87 1705.33,-81.82 1716.23,-92.72 1747.34,-92.72 1765.02,-75.04 1765.02,22.54 1746.63,40.92 1678.75,40.92 1674.48,36.65
V3P3 on PWR "V3P3_L03_P049" (solid, remove dead copper, pour order 49): 1175,-20 1331.56,-20 1546,194.44 1546,568 1762.44,784.44 cw(c0.11,0.04) 1929.13,0 cw(c0,-0.01) 0,-1929.13 cw(c0,0) -1929.13,0 cw(c0,0) -301.08,1905.49 -301.08,1482.24 -553.32,1230 -988,1230 -1027,1191 -1027,966 -1344,649 -1344,87 -395,-862 333,-862
V12P0 on PWR "V12P0_L03_P052" (solid, remove dead copper, pour order 52): 1335,256 1408,329 1435,329 1520,244 1520,212 1474,166 1425,166
LINE_IN on PWR "LINE_IN_L03_P014" (solid, remove dead copper, pour order 14): -793,781 -793,709 -356,272 -34,272 66,372 66,486 -319,871 -319,911 -168,1062 -66,1062 93,1221 230,1221 516,1507 516,1655 300.4,1870.6 -105.4,1870.6 -172,1804 -172,1402
GND on GND "GND_L02_P045" (solid, remove dead copper, pour order 45): 1379,1083 1243,1219 1243,1292 1297,1346 1382,1346 1388.87,1338.88 cw(c0.02,0.01) 1929.13,0 cw(c0,0) 0,-1929.13 cw(c0,0) -1929.13,0 cw(c0,0) -300.92,1905.52 -300.92,1484.08 -588,1197 -619,1228 -659.53,1228 -741,1146.53 -741,1044 -1215,570 -1215,310 -1138,233 -956.24,233 -698,-25.24 -698,-363 -263,-798 233.31,-798 724,-307.31 724,233 777,286 1176,286 1379,489
GND_3V3 on GND "GND_3V3_L02_P010" (solid, remove dead copper, pour order 10): 161,1221 69,1313 -14.86,1313 -206.86,1121 -375.68,1121 -711.94,784.74 -710.23,631.77 -858,484 -907,484 -1013.84,590.84 -1013.84,658.16 -664,1008 -565,1008 -172,1401 -172,1804 -124,1852 -48,1852 -21.84,1825.84 ccw(c6,1853.68) 6,1814.31 ccw(c6,1853.68) 33.84,1825.84 55,1847 cw(c67.07,1834.94) 67.07,1852 87,1852 355.32,1852 374.58,1852 cw(c374.59,1752.02) 445.29,1822.71 626,1642 626,1619 228,1221
GND on Bottom Layer "GND_L04_P043" (solid, remove dead copper, pour order 43): -741,1044 -741,1146 -659,1228 -618,1228 -587.5,1197.5 -300.92,1484.08 -300.92,1905.52 ccw(c0,0) -1929.13,0 ccw(c0,0) 0,-1929.13 ccw(c0,0) 1929.13,0 ccw(c0.02,0) 1388.87,1338.88 1379,1329 1379,489 1176,286 777,286 723,232 723,-314 248,-789 -250,-789 -700,-339 -700,-25 -957,232 -1138,232 -1215,309 -1215,570

## Keep-outs
Keep-Out Layer:
  circle w10: c0,0 r1929.13
  circle w7.87: c626,-814 r98.43
  circle w7.87: c-985,-243 r98.43
  circle w7.87: c-17,1081 r98.43
  pour cut-out: 1092.63,-1242.44 1293.07,-1042 1485.73,-1234.66 1285.29,-1435.1
  lines w7.87: -961.94,-1672.03 cw(c-876,-1720) -786.23,-1760.35 ; 1186.94,1520.47 ccw(c1263,1458) 1336.11,1392.11

## Other copper
Top Layer:
  pour cut-out: -1320,1135.95 -1306.9,1122.86 -1306.9,1122.22 -1318.41,1122.22 -1320,1123.81
  pour cut-out: 1565.5,310 1530.43,310 1520.77,319.67 1534.33,333.23 1565.34,333.23
  pour cut-out: 1169.88,18.62 1205.94,-17.43 1180.75,-42.62 1144.69,-6.57
  pour cut-out: 1565.1,-1058.05 1587.54,-1080.48 1587.54,-1136.84 1496,-1228.38 1446,-1178.38 1446,-1176
  pour cut-out: 1632.57,161.72 1405.28,161.72 1308.98,258.02 1308.98,306.38 1388.57,385.96 1462.99,385.96 1480,368.95 1475.64,364.59 1397.52,364.59 1330.93,298 1330.93,267.07 1411.59,186.41 1632.45,186.41
  pour cut-out: 1638,366 1712.69,291.31 1712.69,257.12 1694.9,257.12 1694.9,280.6 1624.85,350.64 1624.85,365.46 1631.84,372.45
  pour cut-out: 1488,357 1368,477 1368,486.16 1376.53,494.69 1379,494.69 1501.98,371.71 1501.98,370.75
  pour cut-out: 1565.5,675.5 1614,627 1686.41,627 1765.02,548.39 1765.02,494.31 1580.71,310 1565.5,310 1565.5,334.5 1747.34,516.34 1747.34,534 1674.75,606.59 1598.41,606.59 1549.59,655.41 1549.59,659.59
  pour cut-out: 1408.14,-901.08 1565.1,-1058.05 1435.7,-1187.45 1278.84,-1030.58

## Silkscreen, mask and mechanical layers (free items; w line width, h text height)
Top Overlay:
  drawing of 48 lines, arcs and shapes, not listed
  text "5. GND" at 711,183.84 h70
  text "2. Neut" at -69.13,167.71 h70
  text "6. +12Vo" at -1077,48.84 h70
  text "3. L_out" at -243.5,-31.39 h70
  text "4. Dim" at 857,-84 h70
  text "7. ADC" at -841.14,-264.22 h70
  text "1. L_in" at -169,-285.62 h70
  text "WILAMP STREET NEMA" at 1123,-520 h80
  text "Rev 4.3.0" at 1134,-595 h80
Bottom Overlay:
  text "3V3_AC" at 70,1893.55 h40
  text "GND_AC" at 569,1790.55 h40
Top Solder:
  region: -731.47,-142.58 -764.7,-216.83 -766.82,-220.36 cw(c-774.6,-212.58) -782.38,-220.36 -784.5,-218.24 -814.91,-145.41 -732.18,-141.87
  region: 1020,-141 1049,-217 1050,-221 cw(c1039,-221) 1039,-232 1036,-232 963,-202 1019,-141
  region: -998.49,106.27 -1072.73,139.51 -1076.27,141.63 cw(c-1068.49,149.41) -1076.27,157.18 -1074.15,159.31 -1001.31,189.71 -997.78,106.98
Dimensions:
  circle w10: c-1,0 r1929.13
  lines w7.87: -1114.61,266.94 -1003.6,266.94 ccw(c-1003.6,286.63) -1003.6,306.31 -1098.3,306.32 -1103.35,306.32 -1165,367.96 -1165,570 -729,1006 -729,1169.16 -686.08,1212.08 ccw(c-700,1226) -713.92,1239.92 -771,1182.84 -771,1019.68 -1204.37,586.31 -1204.37,351.65 -1125.88,273.16 -1119.66,266.94 -1111.96,266.94 ; -39.37,0 39.37,0 ; 0,-39.37 0,39.37 ; -903.02,367.29 cw(c-889.1,381.21) -875.18,395.13 -796.69,316.64 -708,227.95 -708,96.05 -575.1,-36.85 cw(c-589.02,-50.77) -602.94,-64.68 -748.92,81.3 -748.92,213.19 -836.06,300.33 -903.02,367.29 ; -649.37,-360.31 -248.68,-761 210.25,-761 261.82,-709.44 ccw(c247.9,-695.52) 233.98,-681.6 193.57,-722 -232,-722 -610,-344 -610,-220 ccw(c-629.69,-220) -649.37,-220 -649.37,-360.31 ; -595.34,1092.34 ccw(c-581.82,1078.82) -568.31,1065.31 -205,1428.62 -205,1798 -166,1837 ccw(c-179.92,1850.92) -193.84,1864.84 -244.37,1814.31 -244.37,1443.31 -595.34,1092.34 ; 192,-544.37 cw(c192,-524.69) 192,-505 353,-505 655,-203 655,478 cw(c674.69,478) 694.37,478 694.37,-219.31 369.31,-544.37 192,-544.37 ; 781,406 cw(c781,425.69) 781,445.37 1137.69,445.37 1275.69,583.37 1275.69,825.37 951.69,1149.37 cw(c965.61,1163.29) 979.53,1177.21 1315.06,841.68 1315.06,567.06 1154,406 781,406
Board Outline:
  circle w10: c-1,0 r1929.13
  lines w7.87: -1114.61,266.94 -1003.6,266.94 ccw(c-1003.6,286.63) -1003.6,306.31 -1098.3,306.32 -1103.35,306.32 -1165,367.96 -1165,570 -729,1006 -729,1169.16 -686.08,1212.08 ccw(c-700,1226) -713.92,1239.92 -771,1182.84 -771,1019.68 -1204.37,586.31 -1204.37,351.65 -1125.88,273.16 -1119.66,266.94 -1111.96,266.94 ; -931.16,-1689.36 cw(c-875,-1720) -817.39,-1747.81 -875,-1720 -931.16,-1689.36 ; -903.02,367.29 cw(c-889.1,381.21) -875.18,395.13 -796.69,316.64 -708,227.95 -708,96.05 -575.1,-36.85 cw(c-589.02,-50.77) -602.94,-64.68 -748.92,81.3 -748.92,213.19 -836.06,300.33 -903.02,367.29 ; -649.37,-360.31 -248.68,-761 210.25,-761 261.82,-709.44 ccw(c247.9,-695.52) 233.98,-681.6 193.57,-722 -232,-722 -610,-344 -610,-220 ccw(c-629.69,-220) -649.37,-220 -649.37,-360.31 ; -595.34,1092.34 ccw(c-581.82,1078.82) -568.31,1065.31 -205,1428.62 -205,1798 -166,1837 ccw(c-179.92,1850.92) -193.84,1864.84 -244.37,1814.31 -244.37,1443.31 -595.34,1092.34 ; 192,-544.37 cw(c192,-524.69) 192,-505 353,-505 655,-203 655,478 cw(c674.69,478) 694.37,478 694.37,-219.31 369.31,-544.37 192,-544.37 ; 781,406 cw(c781,425.69) 781,445.37 1137.69,445.37 1275.69,583.37 1275.69,825.37 951.69,1149.37 cw(c965.61,1163.29) 979.53,1177.21 1315.06,841.68 1315.06,567.06 1154,406 781,406 ; 1212.61,1498.67 ccw(c1262,1458) 1309.65,1415.31 1262,1458 1212.61,1498.67
Asm Top:
  lines w7.87: -1360.34,-1272.37 -1321.37,-1311.34 -1243.42,-1233.39 -1282.39,-1194.42 -1360.34,-1272.37 ; -1311.46,-1320.49 -1272.49,-1359.46 -1194.54,-1281.51 -1233.51,-1242.54 -1311.46,-1320.49 ; -1262.46,-1369.49 -1223.49,-1408.46 -1145.54,-1330.51 -1184.51,-1291.54 -1262.46,-1369.49 ; -1227.84,1165.16 -1200,1193 -1144.32,1137.32 -1172.16,1109.48 -1227.84,1165.16 ; -1213.46,-1418.49 -1174.49,-1457.46 -1096.54,-1379.51 -1135.51,-1340.54 -1213.46,-1418.49 ; -1165.46,-1467.49 -1126.49,-1506.46 -1048.54,-1428.51 -1087.51,-1389.54 -1165.46,-1467.49 ; -1115.46,-1515.49 -1076.49,-1554.46 -998.54,-1476.51 -1037.51,-1437.54 -1115.46,-1515.49 ; -982.31,-448.49 -943.33,-487.46 -865.38,-409.51 -904.36,-370.54 -982.31,-448.49 ; -934.46,-495.49 -895.49,-534.46 -817.54,-456.51 -856.51,-417.54 -934.46,-495.49 ; -885.46,-544.49 -846.49,-583.46 -768.54,-505.51 -807.51,-466.54 -885.46,-544.49 ; -524.06,-1821.93 -524.06,-1538.07 -431.94,-1538.07 -431.94,-1821.93 -524.06,-1821.93 ; 738,-612.24 793.12,-612.24 793.12,-502 738,-502 738,-612.24 ; 971,-502.24 1026.12,-502.24 1026.12,-392 971,-392 971,-502.24

## Dimensions
-1930.13,0 to -10675.94,-3409.87 on Dimensions